# Altium PCB Booster_Main_Board.PcbDoc (part 2 of 13)
Units mm, origin at the board's own origin, x right, y up, seen from the top; angles counter-clockwise.
Board outline 400.01 x 117.51 mm, 4 copper layers (Component Side, Signal Layer 1, Power Plane, Solder Side), stack 1.604 mm thick; 1091 components, 573 nets, 3133 pads, 1954 vias.
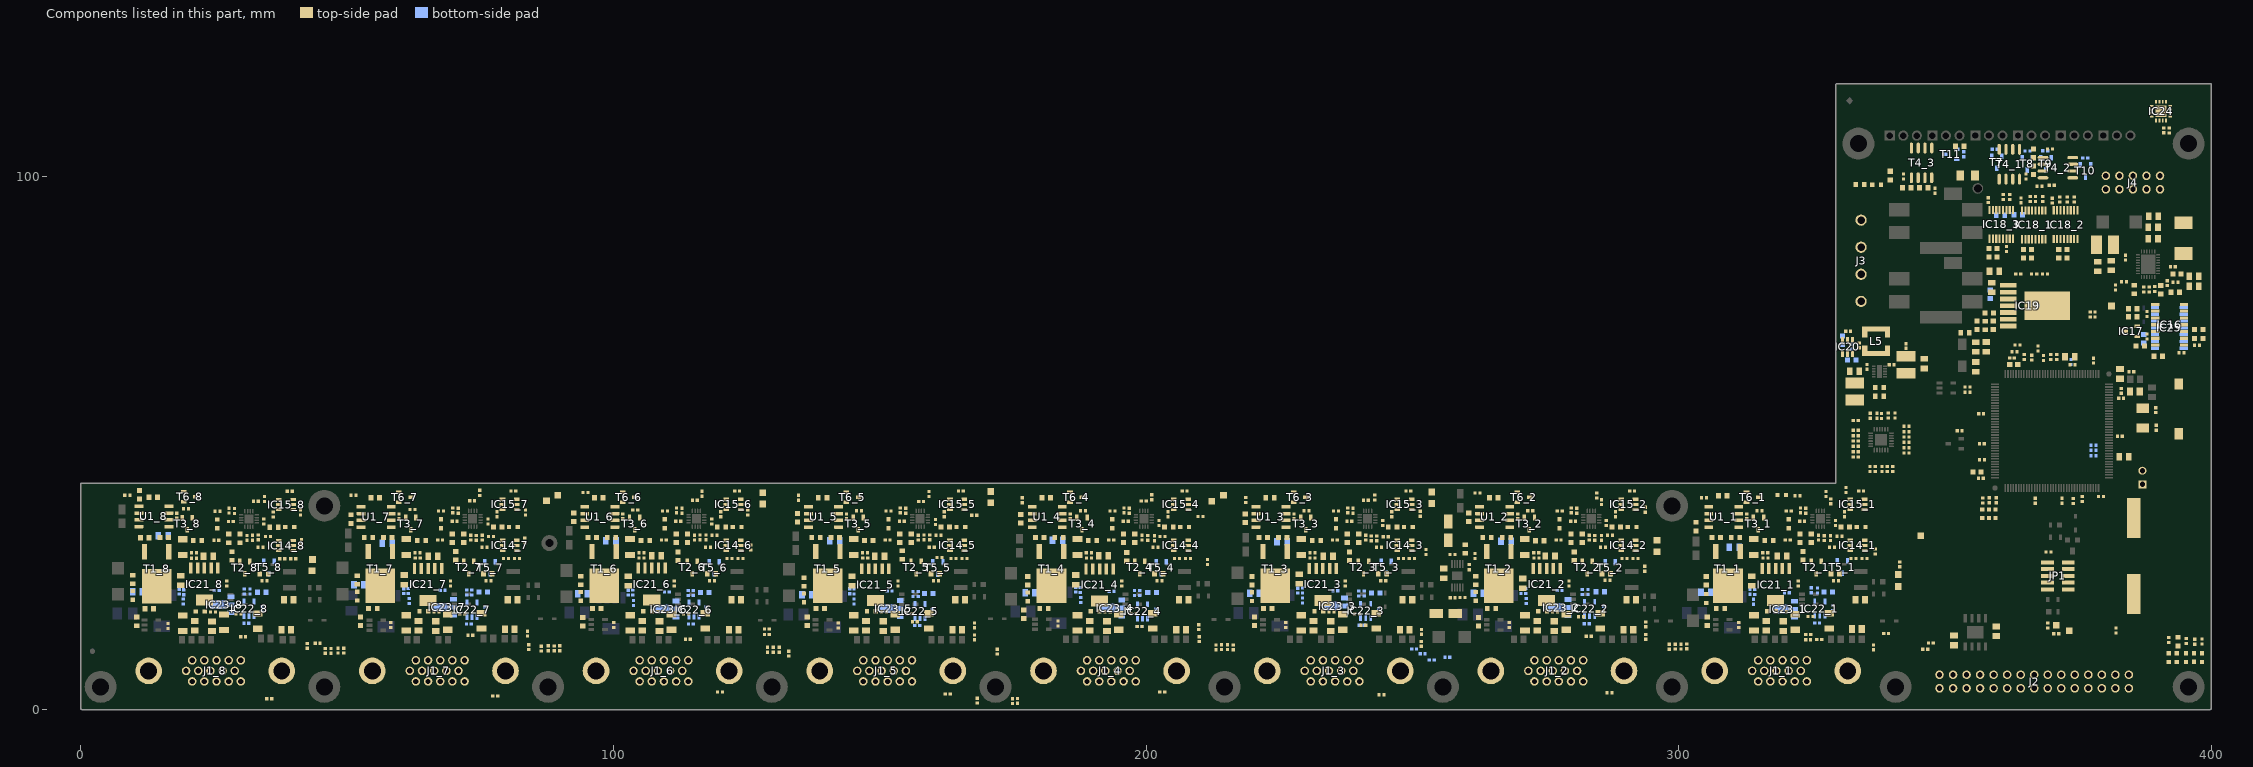
[diagram p4: the components of this part, seen from the top]

## Components (designator, comment, footprint, x,y, rotation, side; value= is the part's Value field where it differs from the comment) (continued)
IC15_4 "DAC7571DBV" SOT95P280X145-6N 206.526,38.513 r180 top (schematic designator IC15)
IC15_5 "DAC7571DBV" SOT95P280X145-6N 164.526,38.513 r180 top (schematic designator IC15)
IC15_6 "DAC7571DBV" SOT95P280X145-6N 122.526,38.513 r180 top (schematic designator IC15)
IC15_7 "DAC7571DBV" SOT95P280X145-6N 80.526,38.513 r180 top (schematic designator IC15)
IC15_8 "DAC7571DBV" SOT95P280X145-6N 38.526,38.484 r180 top (schematic designator IC15)
IC16 "LP339M/NOPB" SOIC127P600X175-14N 392.152,72.254 r0 top
IC17 "TS3431ILT" SOT95P237X112-3N 384.928,71.004 r180 top
IC18_1 "MAX6639AEE+" SOP63P600X175-16N 366.653,91.004 r270 top (schematic designator IC18)
IC18_2 "MAX6639AEE+" SOP63P600X175-16N 372.628,91.054 r270 top (schematic designator IC18)
IC18_3 "MAX6639AEE+" SOP63P600X175-16N 360.553,91.104 r270 top (schematic designator IC18)
IC19 "LMZ14203HTZX/NOPB" "TEXAS_TO-PMOD (NDW)" 367.553,75.824 r0 top
IC20 "AP62201WU-7" SOT95P280X100-6N 331.699,68.079 r270 top
IC21_1 "TL1963ADCQR" SOT127P700X180-6N 318.195,23.459 r270 top (schematic designator IC21)
IC21_2 "TL1963ADCQR" SOT127P700X180-6N 275.188,23.495 r270 top (schematic designator IC21)
IC21_3 "TL1963ADCQR" SOT127P700X180-6N 233.192,23.477 r270 top (schematic designator IC21)
IC21_4 "TL1963ADCQR" SOT127P700X180-6N 191.254,23.411 r270 top (schematic designator IC21)
IC21_5 "TL1963ADCQR" SOT127P700X180-6N 149.174,23.436 r270 top (schematic designator IC21)
IC21_6 "TL1963ADCQR" SOT127P700X180-6N 107.188,23.56 r270 top (schematic designator IC21)
IC21_7 "TL1963ADCQR" SOT127P700X180-6N 65.191,23.495 r270 top (schematic designator IC21)
IC21_8 "TL1963ADCQR" SOT127P700X180-6N 23.192,23.554 r270 top (schematic designator IC21)
IC22_1 "AD8603AUJZ-REEL or TLV333IDBVT" SOT95P280X100-5N 326.472,18.964 r90 bottom (schematic designator IC22)
IC22_2 "AD8603AUJZ-REEL or TLV333IDBVT" SOT95P280X100-5N 283.278,18.88 r90 bottom (schematic designator IC22)
IC22_3 "AD8603AUJZ-REEL or TLV333IDBVT" SOT95P280X100-5N 241.228,18.507 r90 bottom (schematic designator IC22)
IC22_4 "AD8603AUJZ-REEL or TLV333IDBVT" SOT95P280X100-5N 199.328,18.409 r90 bottom (schematic designator IC22)
IC22_5 "AD8603AUJZ-REEL or TLV333IDBVT" SOT95P280X100-5N 157.528,18.494 r90 bottom (schematic designator IC22)
IC22_6 "AD8603AUJZ-REEL or TLV333IDBVT" SOT95P280X100-5N 115.12,18.764 r90 bottom (schematic designator IC22)
IC22_7 "AD8603AUJZ-REEL or TLV333IDBVT" SOT95P280X100-5N 73.428,18.751 r90 bottom (schematic designator IC22)
IC22_8 "AD8603AUJZ-REEL or TLV333IDBVT" SOT95P280X100-5N 31.583,18.907 r90 bottom (schematic designator IC22)
IC23_1 "L79L05ACUTR" SOT89_4 319.764,18.825 r180 bottom (schematic designator IC23)
IC23_2 "L79L05ACUTR" SOT89_4 277.262,19.138 r180 bottom (schematic designator IC23)
IC23_3 "L79L05ACUTR" SOT89_4 235.252,19.427 r180 bottom (schematic designator IC23)
IC23_4 "L79L05ACUTR" SOT89_4 193.455,19.048 r180 bottom (schematic designator IC23)
IC23_5 "L79L05ACUTR" SOT89_4 151.87,18.945 r180 bottom (schematic designator IC23)
IC23_6 "L79L05ACUTR" SOT89_4 109.742,18.851 r180 bottom (schematic designator IC23)
IC23_7 "L79L05ACUTR" SOT89_4 67.998,19.198 r180 bottom (schematic designator IC23)
IC23_8 "L79L05ACUTR" SOT89_4 26.256,19.688 r180 bottom (schematic designator IC23)
IC24 "EMC2305-1-AP-TR" FP-EMC2305-1-AP-TR-MFG 390.536,112.33 r90 top
IC25 "LP339M/NOPB" SOIC127P600X175-14N 392.1,71.653 r180 bottom
J1_1 "HD-Sub" TYCO_1932144-1 319.228,7.254 r0 top locked (schematic designator J1)
J1_2 "HD-Sub" TYCO_1932144-1 277.228,7.254 r0 top locked (schematic designator J1)
J1_3 "HD-Sub" TYCO_1932144-1 235.228,7.254 r0 top locked (schematic designator J1)
J1_4 "HD-Sub" TYCO_1932144-1 193.228,7.254 r0 top locked (schematic designator J1)
J1_5 "HD-Sub" TYCO_1932144-1 151.228,7.254 r0 top locked (schematic designator J1)
J1_6 "HD-Sub" TYCO_1932144-1 109.228,7.254 r0 top locked (schematic designator J1)
J1_7 "HD-Sub" TYCO_1932144-1 67.228,7.254 r0 top locked (schematic designator J1)
J1_8 "HD-Sub" TYCO_1932144-1 25.228,7.254 r0 top locked (schematic designator J1)
J2 "" 3M_N2530-6002RB 366.728,5.254 r180 top locked
J3 "" PHOENIX_1755752 334.228,84.254 r270 top
J4 "Header 10" 3M_N2510-6003RB 385.267,98.933 r180 top
JP1 "PLHTD10S-TR-CV" PLHTD10S-TR-CV 371.17,28.27 r90 top
JP2 "1798942 (goldpin 2x 2.54)" jump 387.045,42.291 r180 top
L1 "10uH" IND_MURATA-PS_8400 333.07,59.715 r90 top
L2 "10uH" IND_MURATA-PS_8400 342.673,64.709 r90 top
L3 "6.8uH" INDM6965X300N 394.728,88.504 r90 top
L4 "10uH" IND_MURATA-PS_8400 380.028,87.254 r180 top
L5 "3.3uH" IND_WURTH_WE-TPC_4828 337.052,69.129 r270 top
LD1_1 "Green" LED_KINGBRIGHT_KPH-1608CGCK 305.181,20.845 r90 top (schematic designator LD1)
LD1_2 "Green" LED_KINGBRIGHT_KPH-1608CGCK 261.874,21.236 r90 top (schematic designator LD1)
LD1_3 "Green" LED_KINGBRIGHT_KPH-1608CGCK 219.888,21.201 r90 top (schematic designator LD1)
LD1_4 "Green" LED_KINGBRIGHT_KPH-1608CGCK 177.773,21.16 r90 top (schematic designator LD1)
LD1_5 "Green" LED_KINGBRIGHT_KPH-1608CGCK 135.758,20.952 r90 top (schematic designator LD1)
LD1_6 "Green" LED_KINGBRIGHT_KPH-1608CGCK 93.874,21.236 r90 top (schematic designator LD1)
LD1_7 "Green" LED_KINGBRIGHT_KPH-1608CGCK 51.9,21.312 r90 top (schematic designator LD1)
LD1_8 "Green" LED_KINGBRIGHT_KPH-1608CGCK 9.728,21.429 r90 top (schematic designator LD1)
LD2_1 "Green" LED_KINGBRIGHT_KPH-1608CGCK 317.428,18.444 r0 top (schematic designator LD2)
LD2_2 "Green" LED_KINGBRIGHT_KPH-1608CGCK 274.428,18.444 r0 top (schematic designator LD2)
LD2_3 "Green" LED_KINGBRIGHT_KPH-1608CGCK 232.428,18.444 r0 top (schematic designator LD2)
LD2_4 "Green" LED_KINGBRIGHT_KPH-1608CGCK 190.428,18.444 r0 top (schematic designator LD2)
LD2_5 "Green" LED_KINGBRIGHT_KPH-1608CGCK 148.428,18.444 r0 top (schematic designator LD2)
LD2_6 "Green" LED_KINGBRIGHT_KPH-1608CGCK 106.428,18.444 r0 top (schematic designator LD2)
LD2_7 "Green" LED_KINGBRIGHT_KPH-1608CGCK 64.428,18.444 r0 top (schematic designator LD2)
LD2_8 "Green" LED_KINGBRIGHT_KPH-1608CGCK 22.428,18.415 r0 top (schematic designator LD2)
LD3 "Green" LED_KINGBRIGHT_KPH-1608CGCK 398.228,9.754 r90 top
LD4_1 "Hyper Red" LED_KINGBRIGHT_KPH-1608SURCK 334.228,34.254 r180 top (schematic designator LD4)
LD4_2 "Hyper Red" LED_KINGBRIGHT_KPH-1608SURCK 291.228,34.254 r180 top (schematic designator LD4)
LD4_3 "Hyper Red" LED_KINGBRIGHT_KPH-1608SURCK 249.228,34.254 r180 top (schematic designator LD4)
LD4_4 "Hyper Red" LED_KINGBRIGHT_KPH-1608SURCK 207.228,34.254 r180 top (schematic designator LD4)
LD4_5 "Hyper Red" LED_KINGBRIGHT_KPH-1608SURCK 165.228,34.254 r180 top (schematic designator LD4)
LD4_6 "Hyper Red" LED_KINGBRIGHT_KPH-1608SURCK 123.228,34.254 r180 top (schematic designator LD4)
LD4_7 "Hyper Red" LED_KINGBRIGHT_KPH-1608SURCK 81.228,34.254 r180 top (schematic designator LD4)
LD4_8 "Hyper Red" LED_KINGBRIGHT_KPH-1608SURCK 39.228,34.254 r180 top (schematic designator LD4)
LD5 "Green" LED_OSRAM_LGL29K 319.318,40.285 r0 top
LD6 "Hyper Red" LED_KINGBRIGHT_KPH-1608SURCK 337.134,98.501 r180 top
LD9 "Green" LED_OSRAM_LGL29K 358.228,36.754 r90 top
LD10 "Green" LED_OSRAM_LGL29K 356.978,36.754 r90 top
LD11 "Green" LED_OSRAM_LGL29K 359.478,36.754 r90 top
LD12_1 "Green" LED_KINGBRIGHT_KPH-1608CGCK 320.629,34.878 r270 top (schematic designator LD12)
LD12_2 "Green" LED_KINGBRIGHT_KPH-1608CGCK 277.629,34.878 r270 top (schematic designator LD12)
LD12_3 "Green" LED_KINGBRIGHT_KPH-1608CGCK 235.629,34.878 r270 top (schematic designator LD12)
LD12_4 "Green" LED_KINGBRIGHT_KPH-1608CGCK 193.629,34.878 r270 top (schematic designator LD12)
LD12_5 "Green" LED_KINGBRIGHT_KPH-1608CGCK 151.629,34.878 r270 top (schematic designator LD12)
LD12_6 "Green" LED_KINGBRIGHT_KPH-1608CGCK 109.629,34.878 r270 top (schematic designator LD12)
LD12_7 "Green" LED_KINGBRIGHT_KPH-1608CGCK 67.629,34.878 r270 top (schematic designator LD12)
LD12_8 "Green" LED_KINGBRIGHT_KPH-1608CGCK 25.629,34.849 r270 top (schematic designator LD12)
LD16 "Green" LED_KINGBRIGHT_KPH-1608CGCK 395.228,9.754 r90 top
LD17 "Green" LED_KINGBRIGHT_KPH-1608CGCK 393.478,9.754 r90 top
LD18 "Green" LED_KINGBRIGHT_KPH-1608CGCK 391.978,9.754 r270 top
LD19 "Green" LED_OSRAM_LGL29K 396.728,9.754 r90 top
PB1 "Push Button" PB_TYCO_FSMSM 393.903,56.439 r270 top
Q1 "8MHz" XTAL_TXC_7A 387.096,54.712 r90 top
R1 "10k" RESC1005X40N 369.392,29.566 r180 top
R2 "10k" RESC1005X40N 373.913,64.719 r180 top
R3 "10k" RESC1005X40N 356.946,46.914 r180 top
R4 "10k" RESC1005X40N 375.729,39.528 r270 top
R5 "49R9" RESC1005X40N 379.298,40.005 r180 top
R6 "10k" RESC1005X40N 374.04,39.116 r90 top
R7_1 "56k" RESC1608X55N 305.162,24.181 r90 top (schematic designator R7)
R7_2 "56k" RESC1608X55N 261.874,24.236 r90 top (schematic designator R7)
R7_3 "56k" RESC1608X55N 219.888,24.201 r90 top (schematic designator R7)
R7_4 "56k" RESC1608X55N 177.773,24.16 r90 top (schematic designator R7)
R7_5 "56k" RESC1608X55N 135.758,23.952 r90 top (schematic designator R7)
R7_6 "56k" RESC1608X55N 93.874,24.236 r90 top (schematic designator R7)
R7_7 "56k" RESC1608X55N 51.9,24.312 r90 top (schematic designator R7)
R7_8 "56k" RESC1608X55N 9.728,24.429 r90 top (schematic designator R7)
R8_1 "16k" RESC1608X55N 307.014,32.287 r180 top (schematic designator R8)
R8_2 "16k" RESC1608X55N 264.014,32.287 r180 top (schematic designator R8)
R8_3 "16k" RESC1608X55N 222.014,32.287 r180 top (schematic designator R8)
R8_4 "16k" RESC1608X55N 180.014,32.287 r180 top (schematic designator R8)
R8_5 "16k" RESC1608X55N 138.014,32.287 r180 top (schematic designator R8)
R8_6 "16k" RESC1608X55N 96.014,32.287 r180 top (schematic designator R8)
R8_7 "16k" RESC1608X55N 54.014,32.287 r180 top (schematic designator R8)
R8_8 "16k" RESC1608X55N 12.014,32.258 r180 top (schematic designator R8)
R9_1 "1k6" RESC1608X55N 308.254,40.157 r180 top (schematic designator R9)
R9_2 "1k6" RESC1608X55N 265.263,39.735 r180 top (schematic designator R9)
R9_3 "1k6" RESC1608X55N 223.263,39.735 r180 top (schematic designator R9)
R9_4 "1k6" RESC1608X55N 181.263,39.735 r180 top (schematic designator R9)
R9_5 "1k6" RESC1608X55N 139.263,39.735 r180 top (schematic designator R9)
R9_6 "1k6" RESC1608X55N 97.263,39.735 r180 top (schematic designator R9)
R9_7 "1k6" RESC1608X55N 55.263,39.735 r180 top (schematic designator R9)
R9_8 "1k6" RESC1608X55N 11.028,40.304 r270 top (schematic designator R9)
R10_1 "12k" RESC1005X40N 316.263,28.46 r0 top (schematic designator R10)
R10_2 "12k" RESC1005X40N 273.263,28.46 r0 top (schematic designator R10)
R10_3 "12k" RESC1005X40N 231.263,28.46 r0 top (schematic designator R10)
R10_4 "12k" RESC1005X40N 189.263,28.46 r0 top (schematic designator R10)
R10_5 "12k" RESC1005X40N 147.263,28.46 r0 top (schematic designator R10)
R10_6 "12k" RESC1005X40N 105.263,28.46 r0 top (schematic designator R10)
R10_7 "12k" RESC1005X40N 63.263,28.46 r0 top (schematic designator R10)
R10_8 "12k" RESC1005X40N 21.263,28.431 r0 top (schematic designator R10)
R11_1 "10k" RESC1005X40N 319.788,18.335 r180 top (schematic designator R11)
R11_2 "10k" RESC1005X40N 276.788,18.335 r180 top (schematic designator R11)
R11_3 "10k" RESC1005X40N 234.788,18.335 r180 top (schematic designator R11)
R11_4 "10k" RESC1005X40N 192.788,18.335 r180 top (schematic designator R11)
R11_5 "10k" RESC1005X40N 150.788,18.335 r180 top (schematic designator R11)
R11_6 "10k" RESC1005X40N 108.788,18.335 r180 top (schematic designator R11)
R11_7 "10k" RESC1005X40N 66.788,18.335 r180 top (schematic designator R11)
R11_8 "10k" RESC1005X40N 24.788,18.306 r180 top (schematic designator R11)
R12_1 "56k" RESC1608X55N 310.646,32.312 r180 top (schematic designator R12)
R12_2 "56k" RESC1608X55N 267.646,32.312 r180 top (schematic designator R12)
R12_3 "56k" RESC1608X55N 225.646,32.312 r180 top (schematic designator R12)
R12_4 "56k" RESC1608X55N 183.646,32.312 r180 top (schematic designator R12)
R12_5 "56k" RESC1608X55N 141.646,32.312 r180 top (schematic designator R12)
R12_6 "56k" RESC1608X55N 99.646,32.312 r180 top (schematic designator R12)
R12_7 "56k" RESC1608X55N 57.646,32.312 r180 top (schematic designator R12)
R12_8 "56k" RESC1608X55N 15.646,32.283 r180 top (schematic designator R12)
R13_1 "3k9" RESC1005X40N 316.238,29.46 r180 top (schematic designator R13)
R13_2 "3k9" RESC1005X40N 273.238,29.46 r180 top (schematic designator R13)
R13_3 "3k9" RESC1005X40N 231.238,29.46 r180 top (schematic designator R13)
R13_4 "3k9" RESC1005X40N 189.238,29.46 r180 top (schematic designator R13)
R13_5 "3k9" RESC1005X40N 147.238,29.46 r180 top (schematic designator R13)
R13_6 "3k9" RESC1005X40N 105.238,29.46 r180 top (schematic designator R13)
R13_7 "3k9" RESC1005X40N 63.238,29.46 r180 top (schematic designator R13)
R13_8 "3k9" RESC1005X40N 21.238,29.431 r180 top (schematic designator R13)
R14 "10k" RESC1005X40N 381.978,79.254 r270 top
R15 "10k" RESC1005X40N 393.228,80.212 r180 top
R16 "1M" RESC1005X40N 387.27,78.832 r90 top
R17_1 "56k" RESC1608X55N 316.941,31.75 r180 top (schematic designator R17)
R17_2 "56k" RESC1608X55N 273.888,31.699 r180 top (schematic designator R17)
R17_3 "56k" RESC1608X55N 231.978,31.75 r180 top (schematic designator R17)
R17_4 "56k" RESC1608X55N 189.941,31.75 r180 top (schematic designator R17)
R17_5 "56k" RESC1608X55N 147.904,31.75 r180 top (schematic designator R17)
R17_6 "56k" RESC1608X55N 105.994,31.75 r180 top (schematic designator R17)
R17_7 "56k" RESC1608X55N 63.957,31.75 r180 top (schematic designator R17)
R17_8 "56k" RESC1608X55N 21.92,31.75 r180 top (schematic designator R17)
R18 "0" RESC1005X40N 383.613,80.305 r0 top
R19 "51k" RESC1005X40N 388.337,78.832 r90 top
R20 "160k" RESC1005X40N 389.358,78.959 r90 top
R21 "10k" RESC1005X40N 398.228,12.754 r270 top
R22 "10k" RESC1005X40N 371.528,95.754 r270 top
R23 "10k" RESC1005X40N 361.528,86.454 r90 top
R24 "10k" RESC1005X40N 365.978,95.829 r270 top
R25 "10k" RESC1005X40N 368.478,66.004 r270 top
R26 "51k" RESC1005X40N 368.728,81.754 r0 top
R27 "51k" RESC1005X40N 366.728,81.754 r0 top
R28 "2k2" RESC1005X40N 363.728,81.754 r180 top
R29_1 "1k5" RESC1608X55N 303.228,34.345 r270 top (schematic designator R29)
R29_2 "1k5" RESC1608X55N 260.553,36.104 r270 top (schematic designator R29)
R29_3 "1k5" RESC1608X55N 218.628,35.904 r270 top (schematic designator R29)
R29_4 "1k5" RESC1608X55N 176.453,35.829 r270 top (schematic designator R29)
R29_5 "1k5" RESC1608X55N 134.553,36.004 r270 top (schematic designator R29)
R29_6 "1k5" RESC1608X55N 92.528,36.104 r270 top (schematic designator R29)
R29_7 "1k5" RESC1608X55N 50.728,35.754 r270 top (schematic designator R29)
R29_8 "1k5" RESC1608X55N 13.578,39.829 r0 top (schematic designator R29)
R30 "33k" RESC1608X55N 357.553,72.099 r270 top
R31 "4k7" RESC1608X55N 353.728,70.754 r0 top
R32_1 "10k" RESC1005X40N 336.866,29.676 r90 top (schematic designator R32)
R32_2 "10k" RESC1005X40N 293.611,26.436 r90 top (schematic designator R32)
R32_3 "10k" RESC1005X40N 252.528,29.592 r90 top (schematic designator R32)
R32_4 "10k" RESC1005X40N 211.527,27.701 r270 top (schematic designator R32)
R32_5 "10k" RESC1005X40N 161.236,28.554 r180 top (schematic designator R32)
R32_6 "10k" RESC1005X40N 125.789,30.424 r270 top (schematic designator R32)
R32_7 "10k" RESC1005X40N 83.356,31.75 r270 top (schematic designator R32)
R32_8 "10k" RESC1005X40N 41.433,31.469 r270 top (schematic designator R32)
R33 "82k" RESC1608X55N 385.521,78.867 r90 top
R34_1 "10k" RESC1005X40N 324.307,14.097 r0 top (schematic designator R34)
R34_2 "10k" RESC1005X40N 286.969,3.175 r0 top (schematic designator R34)
R34_3 "10k" RESC1005X40N 244.17,2.794 r0 top (schematic designator R34)
R34_4 "10k" RESC1005X40N 203.022,3.302 r0 top (schematic designator R34)
R34_5 "10k" RESC1005X40N 162.763,2.921 r0 top (schematic designator R34)
R34_6 "10k" RESC1005X40N 119.964,3.302 r0 top (schematic designator R34)
R34_7 "10k" RESC1005X40N 77.8,2.54 r0 top (schematic designator R34)
R34_8 "10k" RESC1005X40N 35.382,2.032 r0 top (schematic designator R34)
R35_1 "82" RESC1005X40N 304.728,39.754 r180 top (schematic designator R35)
R35_2 "82" RESC1005X40N 262.212,40.661 r180 top (schematic designator R35)
R35_3 "82" RESC1005X40N 218.728,39.314 r270 top (schematic designator R35)
R35_4 "82" RESC1005X40N 176.728,39.289 r270 top (schematic designator R35)
R35_5 "82" RESC1005X40N 134.728,39.754 r270 top (schematic designator R35)
R35_6 "82" RESC1005X40N 94.728,40.754 r180 top (schematic designator R35)
R35_7 "82" RESC1005X40N 51.228,40.254 r180 top (schematic designator R35)
R35_8 "82" RESC1005X40N 8.728,40.254 r180 top (schematic designator R35)
R36 "10k" RESC1005X40N 354.226,60.554 r180 top
R37_1 "0R1" RESC3216X65N 314.126,16.256 r90 top (schematic designator R37)
R37_2 "0R1" RESC3216X65N 271.126,16.256 r90 top (schematic designator R37)
R37_3 "0R1" RESC3216X65N 229.126,16.256 r90 top (schematic designator R37)
R37_4 "0R1" RESC3216X65N 187.126,16.256 r90 top (schematic designator R37)
R37_5 "0R1" RESC3216X65N 145.126,16.256 r90 top (schematic designator R37)
R37_6 "0R1" RESC3216X65N 103.126,16.256 r90 top (schematic designator R37)
R37_7 "0R1" RESC3216X65N 61.126,16.256 r90 top (schematic designator R37)
R37_8 "0R1" RESC3216X65N 19.126,16.227 r90 top (schematic designator R37)
R38_1 "33" RESC3216X65N 328.223,16.637 r270 top (schematic designator R38)
R38_2 "33" RESC3216X65N 285.223,16.637 r270 top (schematic designator R38)
R38_3 "33" RESC3216X65N 243.223,16.637 r270 top (schematic designator R38)
R38_4 "33" RESC3216X65N 201.223,16.637 r270 top (schematic designator R38)
R38_5 "33" RESC3216X65N 159.223,16.637 r270 top (schematic designator R38)
R38_6 "33" RESC3216X65N 117.223,16.637 r270 top (schematic designator R38)
R38_7 "33" RESC3216X65N 75.223,16.637 r270 top (schematic designator R38)
R38_8 "33" RESC3216X65N 33.223,16.608 r270 top (schematic designator R38)
R39_1 "0R1" RESC3216X65N 321.888,16.435 r90 top (schematic designator R39)
R39_2 "0R1" RESC3216X65N 278.888,16.435 r90 top (schematic designator R39)
R39_3 "0R1" RESC3216X65N 236.888,16.435 r90 top (schematic designator R39)
R39_4 "0R1" RESC3216X65N 194.888,16.435 r90 top (schematic designator R39)
R39_5 "0R1" RESC3216X65N 152.888,16.435 r90 top (schematic designator R39)
R39_6 "0R1" RESC3216X65N 110.888,16.435 r90 top (schematic designator R39)
R39_7 "0R1" RESC3216X65N 68.888,16.435 r90 top (schematic designator R39)
R39_8 "0R1" RESC3216X65N 26.888,16.406 r90 top (schematic designator R39)
R40_1 "10k" RESC1005X40N 315.163,37.338 r180 top (schematic designator R40)
R40_2 "10k" RESC1005X40N 272.11,37.338 r180 top (schematic designator R40)
R40_3 "10k" RESC1005X40N 230.073,37.338 r180 top (schematic designator R40)
R40_4 "10k" RESC1005X40N 188.163,37.338 r180 top (schematic designator R40)
R40_5 "10k" RESC1005X40N 146.126,37.338 r180 top (schematic designator R40)
R40_6 "10k" RESC1005X40N 104.089,37.465 r180 top (schematic designator R40)
R40_7 "10k" RESC1005X40N 62.306,37.567 r180 top (schematic designator R40)
R40_8 "10k" RESC1005X40N 19.761,37.719 r180 top (schematic designator R40)
R41 "10k" RESC1005X40N 354.226,59.55 r180 top
R42 "49R9" RESC1005X40N 382.092,14.808 r90 top
R43_1 "4k3" RESC1608X55N 305.346,16.554 r90 top (schematic designator R43)
R43_2 "4k3" RESC1608X55N 262.396,16.488 r90 top (schematic designator R43)
R43_3 "4k3" RESC1608X55N 220.346,16.554 r90 top (schematic designator R43)
R43_4 "4k3" RESC1608X55N 177.013,17.885 r270 top (schematic designator R43)
R43_5 "4k3" RESC1608X55N 136.398,16.554 r90 top (schematic designator R43)
R43_6 "4k3" RESC1608X55N 94.206,16.463 r90 top (schematic designator R43)
R43_7 "4k3" RESC1608X55N 52.496,16.575 r90 top (schematic designator R43)
R43_8 "4k3" RESC1608X55N 10.496,16.546 r90 top (schematic designator R43)
R44_1 "100" RESC1005X40N 311.263,15.868 r90 top (schematic designator R44)
R44_2 "100" RESC1005X40N 268.188,15.861 r90 top (schematic designator R44)
R44_3 "100" RESC1005X40N 226.188,15.861 r90 top (schematic designator R44)
R44_4 "100" RESC1005X40N 183.463,16.179 r90 top (schematic designator R44)
R44_5 "100" RESC1005X40N 142.188,15.76 r90 top (schematic designator R44)
R44_6 "100" RESC1005X40N 100.048,15.859 r90 top (schematic designator R44)
R44_7 "100" RESC1005X40N 58.188,15.882 r90 top (schematic designator R44)
R44_8 "100" RESC1005X40N 16.378,15.669 r90 top (schematic designator R44)
R45_1 "330" RESC1608X55N 307.838,18.96 r0 top (schematic designator R45)
R45_2 "330" RESC1608X55N 264.838,18.96 r0 top (schematic designator R45)
R45_3 "330" RESC1608X55N 222.838,18.96 r0 top (schematic designator R45)
R45_4 "330" RESC1608X55N 180.838,18.96 r0 top (schematic designator R45)
R45_5 "330" RESC1608X55N 138.838,18.96 r0 top (schematic designator R45)
R45_6 "330" RESC1608X55N 96.838,18.96 r0 top (schematic designator R45)
R45_7 "330" RESC1608X55N 54.838,18.96 r0 top (schematic designator R45)
R45_8 "330" RESC1608X55N 12.838,18.931 r0 top (schematic designator R45)
R46_1 "6k2" RESC1608X55N 323.328,28.848 r90 top (schematic designator R46)
R46_2 "6k2" RESC1608X55N 280.378,28.768 r90 top (schematic designator R46)
R46_3 "6k2" RESC1608X55N 238.19,28.778 r90 top (schematic designator R46)
R46_4 "6k2" RESC1608X55N 196.378,28.677 r90 top (schematic designator R46)
R46_5 "6k2" RESC1608X55N 154.19,29.01 r90 top (schematic designator R46)
R46_6 "6k2" RESC1608X55N 112.113,28.776 r90 top (schematic designator R46)
R46_7 "6k2" RESC1608X55N 70.378,28.85 r90 top (schematic designator R46)
R46_8 "6k2" RESC1608X55N 28.378,28.821 r90 top (schematic designator R46)
R47 "10k" RESC1005X40N 257.541,29.115 r0 top
R48 "220" RESC1005X40N 259.428,21.029 r0 top
R49_1 "100" RESC1005X40N 324.722,17.455 r180 top (schematic designator R49)
R49_2 "100" RESC1005X40N 281.627,17.423 r180 top (schematic designator R49)
R49_3 "100" RESC1005X40N 239.616,17.961 r180 top (schematic designator R49)
R49_4 "100" RESC1005X40N 197.616,17.961 r180 top (schematic designator R49)
R49_5 "100" RESC1005X40N 155.616,17.961 r180 top (schematic designator R49)
R49_6 "100" RESC1005X40N 113.616,17.961 r180 top (schematic designator R49)
R49_7 "100" RESC1005X40N 71.616,17.961 r180 top (schematic designator R49)
R49_8 "100" RESC1005X40N 29.616,17.932 r180 top (schematic designator R49)
R50_1 "10k" RESC1005X40N 329.519,24.184 r180 top (schematic designator R50)
R50_2 "10k" RESC1005X40N 286.588,24.257 r180 top (schematic designator R50)
R50_3 "10k" RESC1005X40N 244.519,24.184 r180 top (schematic designator R50)
R50_4 "10k" RESC1005X40N 202.519,24.184 r180 top (schematic designator R50)
R50_5 "10k" RESC1005X40N 160.519,24.184 r180 top (schematic designator R50)
R50_6 "10k" RESC1005X40N 118.519,24.184 r180 top (schematic designator R50)
R50_7 "10k" RESC1005X40N 76.519,24.184 r180 top (schematic designator R50)
R50_8 "10k" RESC1005X40N 34.519,24.155 r180 top (schematic designator R50)
R51_1 "10k" RESC1005X40N 322.407,23.676 r90 top (schematic designator R51)
R51_2 "10k" RESC1005X40N 279.407,23.676 r90 top (schematic designator R51)
R51_3 "10k" RESC1005X40N 237.407,23.676 r90 top (schematic designator R51)
R51_4 "10k" RESC1005X40N 195.407,23.676 r90 top (schematic designator R51)
R51_5 "10k" RESC1005X40N 153.407,23.676 r90 top (schematic designator R51)
R51_6 "10k" RESC1005X40N 111.407,23.676 r90 top (schematic designator R51)
R51_7 "10k" RESC1005X40N 69.407,23.676 r90 top (schematic designator R51)
R51_8 "10k" RESC1005X40N 27.407,23.647 r90 top (schematic designator R51)
R52_1 "10k" RESC1005X40N 327.647,40.432 r90 top (schematic designator R52)
R52_2 "10k" RESC1005X40N 284.573,40.157 r90 top (schematic designator R52)
R52_3 "10k" RESC1005X40N 242.898,39.784 r90 top (schematic designator R52)
R52_4 "10k" RESC1005X40N 201.047,39.86 r90 top (schematic designator R52)
R52_5 "10k" RESC1005X40N 159.223,40.451 r90 top (schematic designator R52)
R52_6 "10k" RESC1005X40N 116.637,40.518 r90 top (schematic designator R52)
R52_7 "10k" RESC1005X40N 74.879,40.691 r90 top (schematic designator R52)
R52_8 "10k" RESC1005X40N 34.493,39.504 r90 top (schematic designator R52)
R53_1 "330" RESC1608X55N 322.762,32.16 r90 top (schematic designator R53)
R53_2 "330" RESC1608X55N 279.762,32.16 r90 top (schematic designator R53)
R53_3 "330" RESC1608X55N 237.762,32.16 r90 top (schematic designator R53)
R53_4 "330" RESC1608X55N 195.762,32.16 r90 top (schematic designator R53)
R53_5 "330" RESC1608X55N 153.762,32.16 r90 top (schematic designator R53)
R53_6 "330" RESC1608X55N 111.762,32.16 r90 top (schematic designator R53)
R53_7 "330" RESC1608X55N 69.762,32.16 r90 top (schematic designator R53)
R53_8 "330" RESC1608X55N 27.762,32.131 r90 top (schematic designator R53)
R54 "33k" RESC1608X55N 259.928,30.15 r270 top
R55 "3k9" RESC1005X40N 322.309,40.157 r0 top
R56_1 "100" RESC1608X55N 324.896,32.16 r270 top (schematic designator R56)
R56_2 "100" RESC1608X55N 281.896,32.16 r270 top (schematic designator R56)
R56_3 "100" RESC1608X55N 239.896,32.16 r270 top (schematic designator R56)
R56_4 "100" RESC1608X55N 197.896,32.16 r270 top (schematic designator R56)
R56_5 "100" RESC1608X55N 155.896,32.16 r270 top (schematic designator R56)
R56_6 "100" RESC1608X55N 113.896,32.16 r270 top (schematic designator R56)
R56_7 "100" RESC1608X55N 71.896,32.16 r270 top (schematic designator R56)
R56_8 "100" RESC1608X55N 29.896,32.131 r270 top (schematic designator R56)
R57_1 "10k" RESC1005X40N 329.413,35.052 r270 top (schematic designator R57)
R57_2 "10k" RESC1005X40N 286.41,35.052 r270 top (schematic designator R57)
R57_3 "10k" RESC1005X40N 244.424,35.052 r270 top (schematic designator R57)
R57_4 "10k" RESC1005X40N 202.413,35.052 r270 top (schematic designator R57)
R57_5 "10k" RESC1005X40N 160.452,35.23 r270 top (schematic designator R57)
R57_6 "10k" RESC1005X40N 118.44,35.281 r270 top (schematic designator R57)
R57_7 "10k" RESC1005X40N 76.429,35.281 r270 top (schematic designator R57)
R57_8 "10k" RESC1005X40N 34.341,35.281 r270 top (schematic designator R57)
R58_1 "15k" RESC1005X40N 328.757,30.484 r180 top (schematic designator R58)
R58_2 "15k" RESC1005X40N 285.757,30.484 r180 top (schematic designator R58)
R58_3 "15k" RESC1005X40N 243.757,30.484 r180 top (schematic designator R58)
R58_4 "15k" RESC1005X40N 201.757,30.484 r180 top (schematic designator R58)
R58_5 "15k" RESC1005X40N 159.757,30.484 r180 top (schematic designator R58)
R58_6 "15k" RESC1005X40N 117.757,30.484 r180 top (schematic designator R58)
R58_7 "15k" RESC1005X40N 75.757,30.484 r180 top (schematic designator R58)
R58_8 "15k" RESC1005X40N 33.757,30.455 r180 top (schematic designator R58)
R59_1 "10k" RESC1005X40N 323.854,37.316 r90 top (schematic designator R59)
R59_2 "10k" RESC1005X40N 280.854,37.316 r90 top (schematic designator R59)
R59_3 "10k" RESC1005X40N 238.854,37.316 r90 top (schematic designator R59)
R59_4 "10k" RESC1005X40N 196.854,37.316 r90 top (schematic designator R59)
R59_5 "10k" RESC1005X40N 154.854,37.316 r90 top (schematic designator R59)
R59_6 "10k" RESC1005X40N 112.854,37.316 r90 top (schematic designator R59)
R59_7 "10k" RESC1005X40N 70.854,37.316 r90 top (schematic designator R59)
R59_8 "10k" RESC1005X40N 28.854,37.287 r90 top (schematic designator R59)
R60 "2k2" RESC1005X40N 339.344,55.169 r270 top
R61 "2k2" RESC1005X40N 333.219,52.407 r180 top
R62 "2k2" RESC1005X40N 340.589,55.169 r270 top
R63 "2k2" RESC1005X40N 333.219,51.407 r180 top
R64 "2k2" RESC1005X40N 333.219,50.407 r180 top
R65 "2k2" RESC1005X40N 333.219,49.407 r180 top
R66 "0" RESC1005X40N 342.719,53.157 r180 top
R67 "0" RESC1005X40N 337.219,55.157 r270 top
R68 "2k2" RESC1005X40N 333.219,48.407 r180 top
R69 "0" RESC1005X40N 338.049,55.143 r270 top
R70 "2k2" RESC1005X40N 333.219,47.407 r180 top
R71 "2k2" RESC1005X40N 335.91,45.149 r270 top
R72 "2k2" RESC1005X40N 336.91,45.149 r270 top
R73 "2k2" RESC1005X40N 338.16,45.149 r270 top
R74 "2k2" RESC1005X40N 339.16,45.149 r270 top
R75 "2k2" RESC1005X40N 340.16,45.149 r270 top
R76 "2k2" RESC1005X40N 342.719,48.157 r0 top
R77 "2k2" RESC1005X40N 342.719,49.157 r0 top
R78 "2k2" RESC1005X40N 342.719,50.157 r0 top
R79 "2k2" RESC1005X40N 342.719,51.157 r0 top
R80 "2k2" RESC1005X40N 342.719,52.157 r0 top
R81 "4k7" RESC1608X55N 337.673,60.459 r0 top
R82 "1k5" RESC1608X55N 337.668,58.801 r180 top
R83_1 "10" RESC1005X40N 330.157,32.536 r180 top (schematic designator R83)
R83_2 "10" RESC1005X40N 287.126,32.725 r180 top (schematic designator R83)
R83_3 "10" RESC1005X40N 244.989,32.441 r180 top (schematic designator R83)
R83_4 "10" RESC1005X40N 203.046,32.501 r180 top (schematic designator R83)
R83_5 "10" RESC1005X40N 161.039,32.725 r180 top (schematic designator R83)
R83_6 "10" RESC1005X40N 119.006,32.725 r180 top (schematic designator R83)
R83_7 "10" RESC1005X40N 77.006,32.472 r180 top (schematic designator R83)
R83_8 "10" RESC1005X40N 35.126,32.472 r180 top (schematic designator R83)
R84_1 "330" RESC1608X55N 329.392,25.48 r0 top (schematic designator R84)
R84_2 "330" RESC1608X55N 286.392,25.48 r0 top (schematic designator R84)
R84_3 "330" RESC1608X55N 244.392,25.48 r0 top (schematic designator R84)
R84_4 "330" RESC1608X55N 202.392,25.48 r0 top (schematic designator R84)
R84_5 "330" RESC1608X55N 160.392,25.48 r0 top (schematic designator R84)
R84_6 "330" RESC1608X55N 118.392,25.48 r0 top (schematic designator R84)
R84_7 "330" RESC1608X55N 76.392,25.48 r0 top (schematic designator R84)
R84_8 "330" RESC1608X55N 34.392,25.451 r0 top (schematic designator R84)
R85_1 "10k" RESC1005X40N 334.878,28.35 r180 top (schematic designator R85)
R85_2 "10k" RESC1005X40N 291.878,28.35 r180 top (schematic designator R85)
R85_3 "10k" RESC1005X40N 249.878,28.35 r180 top (schematic designator R85)
R85_4 "10k" RESC1005X40N 207.878,28.35 r180 top (schematic designator R85)
R85_5 "10k" RESC1005X40N 165.878,28.35 r180 top (schematic designator R85)
R85_6 "10k" RESC1005X40N 123.878,28.35 r180 top (schematic designator R85)
R85_7 "10k" RESC1005X40N 81.878,28.35 r180 top (schematic designator R85)
R85_8 "10k" RESC1005X40N 39.878,28.321 r180 top (schematic designator R85)
R86 "1k2" RESC1005X40N 260.662,26.722 r90 top
R87 "10k" RESC1005X40N 261.742,28.795 r90 top
R88_1 "10k" RESC1005X40N 332.821,28.35 r0 top (schematic designator R88)
R88_2 "10k" RESC1005X40N 289.821,28.35 r0 top (schematic designator R88)
R88_3 "10k" RESC1005X40N 247.821,28.35 r0 top (schematic designator R88)
R88_4 "10k" RESC1005X40N 205.821,28.35 r0 top (schematic designator R88)
R88_5 "10k" RESC1005X40N 163.821,28.35 r0 top (schematic designator R88)
R88_6 "10k" RESC1005X40N 121.821,28.35 r0 top (schematic designator R88)
R88_7 "10k" RESC1005X40N 79.821,28.35 r0 top (schematic designator R88)
R88_8 "10k" RESC1005X40N 37.821,28.321 r0 top (schematic designator R88)
R89_1 "10k" RESC1005X40N 331.398,41.202 r90 top (schematic designator R89)
R89_2 "10k" RESC1005X40N 293.728,37.504 r90 top (schematic designator R89)
R89_3 "10k" RESC1005X40N 251.478,36.754 r90 top (schematic designator R89)
R89_4 "10k" RESC1005X40N 210.228,36.254 r0 top (schematic designator R89)
R89_5 "10k" RESC1005X40N 167.728,36.504 r0 top (schematic designator R89)
R89_6 "10k" RESC1005X40N 125.228,37.004 r90 top (schematic designator R89)
R89_7 "10k" RESC1005X40N 83.478,37.004 r90 top (schematic designator R89)
R89_8 "10k" RESC1005X40N 41.228,37.004 r90 top (schematic designator R89)
R90_1 "82" RESC1005X40N 331.119,36.656 r90 top (schematic designator R90)
R90_2 "82" RESC1005X40N 288.119,36.656 r90 top (schematic designator R90)
R90_3 "82" RESC1005X40N 246.119,36.656 r90 top (schematic designator R90)
R90_4 "82" RESC1005X40N 204.119,36.656 r90 top (schematic designator R90)
R90_5 "82" RESC1005X40N 162.119,36.656 r90 top (schematic designator R90)
R90_6 "82" RESC1005X40N 120.119,36.656 r90 top (schematic designator R90)
R90_7 "82" RESC1005X40N 78.119,36.656 r90 top (schematic designator R90)
R90_8 "82" RESC1005X40N 36.119,36.627 r90 top (schematic designator R90)
R91 "56k" RESC1608X55N 397.622,71.344 r0 top
R92 "10k" RESC1005X40N 387.903,74.254 r90 top
R93 "10k" RESC1005X40N 394.396,66.975 r0 top
R94 "18k" RESC1608X55N 385.228,75.254 r180 top
R95 "13k" RESC1608X55N 385.228,73.754 r180 top
R96 "20k" RESC1608X55N 390.003,66.329 r0 top
R97 "1k" RESC1608X55N 386.653,68.254 r0 top
R98 "7k5" RESC1608X55N 397.597,69.667 r0 top
R99 "2k2" RESC1005X40N 397.292,68.372 r180 top
R100 "2k2" RESC1005X40N 387.903,70.004 r90 top
R101 "2k2" RESC1005X40N 358.292,39.294 r270 top
R102 "2k2" RESC1005X40N 357.048,39.218 r270 top
R103 "2k2" RESC1005X40N 359.613,39.294 r270 top
R104_1 "10k" RESC1005X40N 320.654,37.265 r0 top (schematic designator R104)
R104_2 "10k" RESC1005X40N 277.654,37.265 r0 top (schematic designator R104)
R104_3 "10k" RESC1005X40N 235.654,37.265 r0 top (schematic designator R104)
R104_4 "10k" RESC1005X40N 193.654,37.265 r0 top (schematic designator R104)
R104_5 "10k" RESC1005X40N 151.654,37.265 r0 top (schematic designator R104)
R104_6 "10k" RESC1005X40N 109.654,37.265 r0 top (schematic designator R104)
R104_7 "10k" RESC1005X40N 67.654,37.265 r0 top (schematic designator R104)
R104_8 "10k" RESC1005X40N 25.654,37.236 r0 top (schematic designator R104)
R105 "10k" RESC1005X40N 333.228,54.254 r180 top
R106 "2k2" RESC1005X40N 377.833,49.632 r180 bottom
R107_1 "330" RESC1608X55N 331.276,34.263 r180 top (schematic designator R107)
R107_2 "330" RESC1608X55N 288.276,34.263 r180 top (schematic designator R107)
R107_3 "330" RESC1608X55N 246.276,34.263 r180 top (schematic designator R107)
R107_4 "330" RESC1608X55N 204.276,34.263 r180 top (schematic designator R107)
R107_5 "330" RESC1608X55N 162.276,34.263 r180 top (schematic designator R107)
R107_6 "330" RESC1608X55N 120.276,34.263 r180 top (schematic designator R107)
R107_7 "330" RESC1608X55N 78.276,34.263 r180 top (schematic designator R107)
R107_8 "330" RESC1608X55N 36.276,34.234 r180 top (schematic designator R107)
R108 "10k" RESC1005X40N 392.008,13.086 r270 top
R109 "10k" RESC1005X40N 395.258,12.836 r270 top
R110 "56k" RESC1608X55N 393.728,12.754 r90 top
R111 "3k9" RESC1005X40N 396.876,12.731 r90 top
R112 "10k" RESC1005X40N 370.942,66.167 r90 top
R113 "10k" RESC1005X40N 369.824,66.167 r90 top
R114_1 "0R18" RESC2012X70N 310.428,30.429 r180 bottom (schematic designator R114)
R114_2 "0R18" RESC2012X70N 267.583,31.554 r180 bottom (schematic designator R114)
R114_3 "0R18" RESC2012X70N 225.517,31.504 r180 bottom (schematic designator R114)
R114_4 "0R18" RESC2012X70N 183.378,31.783 r180 bottom (schematic designator R114)
R114_5 "0R18" RESC2012X70N 141.528,31.724 r180 bottom (schematic designator R114)
R114_6 "0R18" RESC2012X70N 99.528,31.654 r180 bottom (schematic designator R114)
R114_7 "0R18" RESC2012X70N 57.532,31.254 r180 bottom (schematic designator R114)
R114_8 "0R18" RESC2012X70N 15.478,32.585 r180 bottom (schematic designator R114)
R115_1 "10k" RESC1005X40N 328.872,19.044 r90 bottom (schematic designator R115)
R115_2 "10k" RESC1005X40N 285.882,18.9 r90 bottom (schematic designator R115)
R115_3 "10k" RESC1005X40N 243.628,18.507 r90 bottom (schematic designator R115)
R115_4 "10k" RESC1005X40N 201.828,18.414 r90 bottom (schematic designator R115)
R115_5 "10k" RESC1005X40N 159.828,18.309 r90 bottom (schematic designator R115)
R115_6 "10k" RESC1005X40N 117.32,18.764 r90 bottom (schematic designator R115)
R115_7 "10k" RESC1005X40N 75.828,18.751 r90 bottom (schematic designator R115)
R115_8 "10k" RESC1005X40N 33.983,18.907 r90 bottom (schematic designator R115)
R116_1 "5k1" RESC1005X40N 326.028,22.364 r90 bottom (schematic designator R116)
R116_2 "5k1" RESC1005X40N 282.968,22.03 r90 bottom (schematic designator R116)
R116_3 "5k1" RESC1005X40N 240.978,21.757 r90 bottom (schematic designator R116)
R116_4 "5k1" RESC1005X40N 198.828,21.909 r90 bottom (schematic designator R116)
R116_5 "5k1" RESC1005X40N 157.228,21.714 r90 bottom (schematic designator R116)
R116_6 "5k1" RESC1005X40N 114.97,21.891 r90 bottom (schematic designator R116)
R116_7 "5k1" RESC1005X40N 73.378,21.954 r90 bottom (schematic designator R116)
R116_8 "5k1" RESC1005X40N 31.783,22.168 r90 bottom (schematic designator R116)
R117_1 "10k" RESC1005X40N 324.882,22.394 r90 bottom (schematic designator R117)
R117_2 "10k" RESC1005X40N 281.856,22.03 r90 bottom (schematic designator R117)
R117_3 "10k" RESC1005X40N 239.928,21.757 r90 bottom (schematic designator R117)
R117_4 "10k" RESC1005X40N 197.828,21.909 r90 bottom (schematic designator R117)
R117_5 "10k" RESC1005X40N 156.228,21.684 r90 bottom (schematic designator R117)
R117_6 "10k" RESC1005X40N 114.02,21.894 r90 bottom (schematic designator R117)
R117_7 "10k" RESC1005X40N 72.478,21.951 r90 bottom (schematic designator R117)
R117_8 "10k" RESC1005X40N 30.683,22.142 r90 bottom (schematic designator R117)
R118 "1k5" RESC1608X55N 358.493,77.954 r90 bottom
R119 "2k2" RESC1005X40N 377.85,47.67 r180 bottom
R120 "2k2" RESC1005X40N 377.85,48.654 r180 bottom
R121 "2k2" RESC1005X40N 373.628,65.268 r90 bottom
R122_1 "30k" RESC1005X40N 314.274,22.047 r90 bottom (schematic designator R122)
R122_2 "30k" RESC1005X40N 271.247,22.25 r90 bottom (schematic designator R122)
R122_3 "30k" RESC1005X40N 229.342,22.377 r90 bottom (schematic designator R122)
R122_4 "30k" RESC1005X40N 187.63,22.479 r90 bottom (schematic designator R122)
R122_5 "30k" RESC1005X40N 145.177,22.184 r90 bottom (schematic designator R122)
R122_6 "30k" RESC1005X40N 103.638,21.964 r90 bottom (schematic designator R122)
R122_7 "30k" RESC1005X40N 61.493,22.225 r90 bottom (schematic designator R122)
R122_8 "30k" RESC1005X40N 19.304,22.022 r90 bottom (schematic designator R122)
R123_1 "10k" RESC1005X40N 314.039,20.234 r90 bottom (schematic designator R123)
R123_2 "10k" RESC1005X40N 271.342,20.411 r90 bottom (schematic designator R123)
R123_3 "10k" RESC1005X40N 229.372,20.508 r90 bottom (schematic designator R123)
R123_4 "10k" RESC1005X40N 187.704,20.565 r90 bottom (schematic designator R123)
R123_5 "10k" RESC1005X40N 145.177,20.269 r90 bottom (schematic designator R123)
R123_6 "10k" RESC1005X40N 103.758,20.001 r90 bottom (schematic designator R123)
R123_7 "10k" RESC1005X40N 61.641,20.411 r90 bottom (schematic designator R123)
R123_8 "10k" RESC1005X40N 19.261,20.273 r90 bottom (schematic designator R123)
R124 "4k7" RESC1608X55N 332.459,65.629 r0 bottom
R125 "1k5" RESC1608X55N 330.749,69.354 r90 bottom
R126 "Undefined" RESC1005X40N 369.278,15.799 r90 top
R127 "Undefined" RESC1005X40N 370.87,14.225 r180 top
R128 "0" RESC1005X40N 363.601,68.429 r0 top
R129 "0" RESC1005X40N 363.06,67.168 r0 top
R130 "Undefined" RESC1005X40N 367.449,67.78 r90 top
R131 "Undefined" RESC1005X40N 364.866,66.218 r90 top
R132 "10k" RESC1005X40N 378.128,74.149 r90 top
R133 "10k" RESC1005X40N 377.228,74.153 r90 top
R134 "10k" RESC1005X40N 359.328,105.163 r180 bottom
R135 "10k" RESC1005X40N 365.453,104.863 r180 bottom
R136 "10k" RESC1005X40N 368.799,104.882 r180 bottom
R137 "0" RESC1005X40N 392.071,108.706 r90 top
R138 "10k" RESC1005X40N 376.31,103.539 r180 bottom
R139 "10k" RESC1005X40N 353.489,104.242 r90 bottom
R140 "18k" RESC1608X55N 360.401,92.812 r180 bottom
R141 "18k" RESC1608X55N 363.753,92.862 r180 bottom
R142 "330" RESC1608X55N 334.01,98.577 r180 top
R143 "1k5" RESC1608X55N 387.274,69.596 r90 bottom
R147_1 "10k" RESC1005X40N 368.328,95.854 r90 top (schematic designator R147)
R147_2 "10k" RESC1005X40N 374.253,95.754 r90 top (schematic designator R147)
R147_3 "10k" RESC1005X40N 362.128,96.224 r90 top (schematic designator R147)
R148_1 "10k" RESC1005X40N 366.953,95.829 r90 top (schematic designator R148)
R148_2 "10k" RESC1005X40N 372.928,95.754 r90 top (schematic designator R148)
R148_3 "10k" RESC1005X40N 360.928,96.224 r90 top (schematic designator R148)
R149_1 "10k" RESC1005X40N 367.728,98.254 r0 top (schematic designator R149)
R149_2 "10k" RESC1005X40N 369.678,105.229 r180 top (schematic designator R149)
R149_3 "10k" RESC1005X40N 342.178,100.104 r270 top (schematic designator R149)
R150_1 "10k" RESC1005X40N 365.178,100.054 r90 top (schematic designator R150)
R150_2 "10k" RESC1005X40N 370.027,98.425 r0 top (schematic designator R150)
R150_3 "10k" RESC1005X40N 348.103,97.404 r270 top (schematic designator R150)
T1_1 "MJD2955G" TO228P991X239-3N-R552X520 309.238,25.51 r270 top (schematic designator T1)
T1_2 "MJD2955G" TO228P991X239-3N-R552X520 266.238,25.51 r270 top (schematic designator T1)
T1_3 "MJD2955G" TO228P991X239-3N-R552X520 224.238,25.51 r270 top (schematic designator T1)
T1_4 "MJD2955G" TO228P991X239-3N-R552X520 182.238,25.51 r270 top (schematic designator T1)
T1_5 "MJD2955G" TO228P991X239-3N-R552X520 140.238,25.51 r270 top (schematic designator T1)
T1_6 "MJD2955G" TO228P991X239-3N-R552X520 98.238,25.51 r270 top (schematic designator T1)
T1_7 "MJD2955G" TO228P991X239-3N-R552X520 56.238,25.51 r270 top (schematic designator T1)
T1_8 "MJD2955G" TO228P991X239-3N-R552X520 14.238,25.481 r270 top (schematic designator T1)
T2_1 "BSS138LT1G" SOT95P240X110-3N 325.81,26.67 r270 top (schematic designator T2)
T2_2 "BSS138LT1G" SOT95P240X110-3N 282.81,26.67 r270 top (schematic designator T2)
T2_3 "BSS138LT1G" SOT95P240X110-3N 240.81,26.67 r270 top (schematic designator T2)
T2_4 "BSS138LT1G" SOT95P240X110-3N 198.81,26.67 r270 top (schematic designator T2)
T2_5 "BSS138LT1G" SOT95P240X110-3N 156.81,26.67 r270 top (schematic designator T2)
T2_6 "BSS138LT1G" SOT95P240X110-3N 114.81,26.67 r270 top (schematic designator T2)
T2_7 "BSS138LT1G" SOT95P240X110-3N 72.81,26.67 r270 top (schematic designator T2)
T2_8 "BSS138LT1G" SOT95P240X110-3N 30.81,26.641 r270 top (schematic designator T2)
T3_1 "BSS138LT1G" SOT95P240X110-3N 314.964,34.903 r270 top (schematic designator T3)
T3_2 "BSS138LT1G" SOT95P240X110-3N 271.964,34.903 r270 top (schematic designator T3)
T3_3 "BSS138LT1G" SOT95P240X110-3N 229.964,34.903 r270 top (schematic designator T3)
T3_4 "BSS138LT1G" SOT95P240X110-3N 187.964,34.903 r270 top (schematic designator T3)
T3_5 "BSS138LT1G" SOT95P240X110-3N 145.964,34.903 r270 top (schematic designator T3)
T3_6 "BSS138LT1G" SOT95P240X110-3N 103.964,34.903 r270 top (schematic designator T3)
T3_7 "BSS138LT1G" SOT95P240X110-3N 61.964,34.903 r270 top (schematic designator T3)
T3_8 "BSS138LT1G" SOT95P240X110-3N 19.964,34.874 r270 top (schematic designator T3)
T4_1 "IRF7304PBF" so-8 360.153,99.579 r90 top (schematic designator T4)
T4_2 "IRF7304PBF" so-8 368.376,103.632 r0 top (schematic designator T4)
T4_3 "IRF7304PBF" so-8 343.678,99.829 r90 top (schematic designator T4)
T5_1 "BSS84LT1G" SOT95P240X110-3N 330.728,26.746 r270 bottom (schematic designator T5)
T5_2 "BSS84LT1G" SOT95P240X110-3N 287.128,26.613 r270 bottom (schematic designator T5)
T5_3 "BSS84LT1G" SOT95P240X110-3N 245.063,26.704 r270 bottom (schematic designator T5)
T5_4 "BSS84LT1G" SOT95P240X110-3N 202.828,26.613 r270 bottom (schematic designator T5)
T5_5 "BSS84LT1G" SOT95P240X110-3N 160.919,26.604 r270 bottom (schematic designator T5)
T5_6 "BSS84LT1G" SOT95P240X110-3N 118.928,26.613 r270 bottom (schematic designator T5)
T5_7 "BSS84LT1G" SOT95P240X110-3N 76.828,26.613 r270 bottom (schematic designator T5)
T5_8 "BSS84LT1G" SOT95P240X110-3N 35.328,26.67 r270 bottom (schematic designator T5)
T6_1 "BSS138LT1G" SOT95P240X110-3N 313.863,39.86 r0 top (schematic designator T6)
T6_2 "BSS138LT1G" SOT95P240X110-3N 270.863,39.86 r0 top (schematic designator T6)
T6_3 "BSS138LT1G" SOT95P240X110-3N 228.863,39.86 r0 top (schematic designator T6)
T6_4 "BSS138LT1G" SOT95P240X110-3N 186.863,39.86 r0 top (schematic designator T6)
T6_5 "BSS138LT1G" SOT95P240X110-3N 144.863,39.86 r0 top (schematic designator T6)
T6_6 "BSS138LT1G" SOT95P240X110-3N 102.863,39.86 r0 top (schematic designator T6)
T6_7 "BSS138LT1G" SOT95P240X110-3N 60.863,39.86 r0 top (schematic designator T6)
T6_8 "BSS138LT1G" SOT95P240X110-3N 20.441,39.984 r0 top (schematic designator T6)
T7 "BSS138LT1G" SOT95P240X110-3N 359.68,102.749 r270 bottom
T8 "BSS138LT1G" SOT95P240X110-3N 365.453,102.449 r270 bottom
T9 "BSS138LT1G" SOT95P240X110-3N 368.935,102.468 r270 bottom
T10 "BSS138LT1G" SOT95P240X110-3N 376.356,101.125 r270 bottom
T11 "BSS138LT1G" SOT95P240X110-3N 351.075,104.242 r180 bottom
TP1 "Test Point" TPS127 381.228,75.754 r0 top
TP2 "Test Point" TPS127 43.489,28.157 r0 top
TP3 "Test Point" TPS127 43.42,26.035 r0 top
TP4 "Test Point" TPS127 373.292,14.783 r0 top
TP5 "Test Point" TPS127 370.888,15.817 r0 top
TP6 "Test Point" TPS127 87.428,39.199 r0 top
TP7 "Test Point" TPS127 89.528,40.221 r0 top
TP8 "Test Point" TPS127 128.028,38.575 r0 top
TP9 "Test Point" TPS127 128.016,40.716 r0 top
TP10 "Test Point" TPS127 170.828,38.811 r90 top
TP11 "Test Point" TPS127 170.828,40.954 r90 top
TP12 "Test Point" TPS127 212.339,39.09 r90 top
TP13 "Test Point" TPS127 214.528,40.243 r90 top
TP14 "Test Point" TPS127 253.629,38.684 r90 top
TP15 "Test Point" TPS127 253.628,40.818 r90 top
TP16 "Test Point" TPS127 345.428,32.627 r90 top
TP17 "Test Point" TPS127 295.914,31.761 r90 top
TP18 "Test Point" TPS127 295.898,29.639 r90 top
TP19 "Test Point" TPS127 341.203,25.343 r90 top
TP20 "Test Point" TPS127 341.203,23.089 r90 top
U1_1 "UC3836D" D0008A_M 308.438,36.16 r180 top (schematic designator U1)
U1_2 "UC3836D" D0008A_M 265.438,36.16 r180 top (schematic designator U1)
U1_3 "UC3836D" D0008A_M 223.438,36.16 r180 top (schematic designator U1)
U1_4 "UC3836D" D0008A_M 181.438,36.16 r180 top (schematic designator U1)
U1_5 "UC3836D" D0008A_M 139.438,36.16 r180 top (schematic designator U1)
U1_6 "UC3836D" D0008A_M 97.438,36.16 r180 top (schematic designator U1)
U1_7 "UC3836D" D0008A_M 55.438,36.16 r180 top (schematic designator U1)
U1_8 "UC3836D" D0008A_M 13.728,36.254 r180 top (schematic designator U1)

## Footprints (in the part's own frame and the unit in brackets; to place one, negate y for a bottom-side part, rotate by r counter-clockwise, add the part's x,y. Pads: shape width x height; smd on the part's side, far side on the other; paste and mask are expansions set on the pad)
3M_N2510-6003RB [mm] "10 Contacts - Straight .100\" x .100\" Low Profile Four-Wall Header (Solder Tail 3.94mm)"
  round 1.6 hole 1: 1(-5.08,-1.27) 2(-5.08,1.27) 3(-2.54,-1.27) 4(-2.54,1.27) 5(0,-1.27) 6(0,1.27) 7(2.54,-1.27) 8(2.54,1.27) 9(5.08,-1.27) 10(5.08,1.27)
  silkscreen extent -10.01,-4.85 10.01,4.52, body extent -10.01,-4.11 10.01,4.52, height 9.91
3M_N2530-6002RB [mm] "30 Contacts - Straight .100\" x .100\" Low Profile Four-Wall Header"
  round 1.6 hole 1: 1(-17.78,-1.27) 2(-17.78,1.27) 3(-15.24,-1.27) 4(-15.24,1.27) 5(-12.7,-1.27) 6(-12.7,1.27) 7(-10.16,-1.27) 8(-10.16,1.27) 9(-7.62,-1.27) 10(-7.62,1.27) 11(-5.08,-1.27) 12(-5.08,1.27) 13(-2.54,-1.27) 14(-2.54,1.27) 15(0,-1.27) 16(0,1.27) 17(2.54,-1.27) 18(2.54,1.27) 19(5.08,-1.27) 20(5.08,1.27) 21(7.62,-1.27) 22(7.62,1.27) 23(10.16,-1.27) 24(10.16,1.27) 25(12.7,-1.27) 26(12.7,1.27) 27(15.24,-1.27) 28(15.24,1.27) 29(17.78,-1.27) 30(17.78,1.27)
  silkscreen extent -22.71,-4.85 22.71,4.52, body extent -22.71,-4.11 22.71,4.52, height 9.91
CAPAE430X540N [mm] "Capacitor, Aluminium Electrolytric, 4.3mm L X 4.3mm W X 5.4mm H, IPC Medium Density"
  rect 2.55x1.6 smd: 1(-1.75,0) 2(1.75,0)
  silkscreen extent -2.8,-2.15 2.15,2.15, body extent -2.75,-2.25 2.75,2.25, height 5.7
CAPAE1900X1680N [mm] "Capacitor,Aluminum Electrolytic; 19.00mm L X 19.00mm W X 16.80mm H , IPC Medium Density"
  rect 7.5x2.5 smd: 1(-7.1,0) 2(7.1,0)
  silkscreen extent -10.72,-9.5 9.5,9.5, body extent -10.5,-9.6 10.5,9.6, height 16.8
CAPC1005X55N [mm] "Chip Capacitor, Body 1.0x0.55mm, IPC Medium Density"
  rect 0.62x0.62 smd: 1(-0.45,0) 2(0.45,0)
  body extent -0.52,-0.27 0.53,0.28, height 0.55
CAPC1608X87N [mm] "Chip Capacitor, Body 1.6x0.8mm IPC Medium Density"
  rect 0.95x1 smd: 1(-0.8,0) 2(0.8,0)
  body extent -0.87,-0.47 0.88,0.48, height 0.87
CAPC1608X90N [mm] "Chip Capacitor, Body 1.6x0.8mm IPC Medium Density"
  rect 0.95x0.95 smd: 1(-0.75,0) 2(0.75,0)
  body extent -0.85,-0.45 0.85,0.45, height 0.9
CAPC2012X110N [mm] "Chip Capacitor, Body 2.0x1.25mm, IPC Medium Density"
  rect 1.15x1.45 smd: 1(-0.9,0) 2(0.9,0)
  silkscreen extent 0,-0.58 0,0.58, body extent -1.05,-0.67 1.05,0.68, height 1.1
CAPC2012X135N [mm] "Chip Capacitor, Body 2.0x1.25mm, IPC Medium Density"
  rect 1.05x1.4 smd: 1(-0.9,0) 2(0.9,0)
  silkscreen extent 0,-0.58 0,0.58, body extent -1.05,-0.67 1.05,0.68, height 1.25
CAPC3216X180N [mm] "Chip Capacitor, Body 3.2x1.6mm, IPC Medium Density"
  rect 1.15x1.8 smd: 1(-1.5,0) 2(1.5,0)
  silkscreen extent -0.55,-0.8 0.55,0.8, body extent -1.7,-0.9 1.7,0.9, height 1.8
CAPC3216X190N [mm] "Chip Capacitor, Body 3.2x1.6mm, IPC Medium Density"
  rect 1.45x1.9 smd: 1(-1.4,0) 2(1.4,0)
  silkscreen extent -0.3,-0.95 0.3,0.95, body extent -1.75,-0.95 1.75,0.95, height 1.9